# Altium PCB Angler_Main_PCB_V2.PcbDoc (part 2 of 2)
Units mm, origin at the board's own origin, x right, y up, seen from the top; angles counter-clockwise.
Board outline 200 x 139 mm, 4 copper layers (Top Layer, Signal Layer 1, Signal Layer 2, Bottom Layer), stack 0.778 mm thick; 202 components, 161 nets, 754 pads, 93 vias.
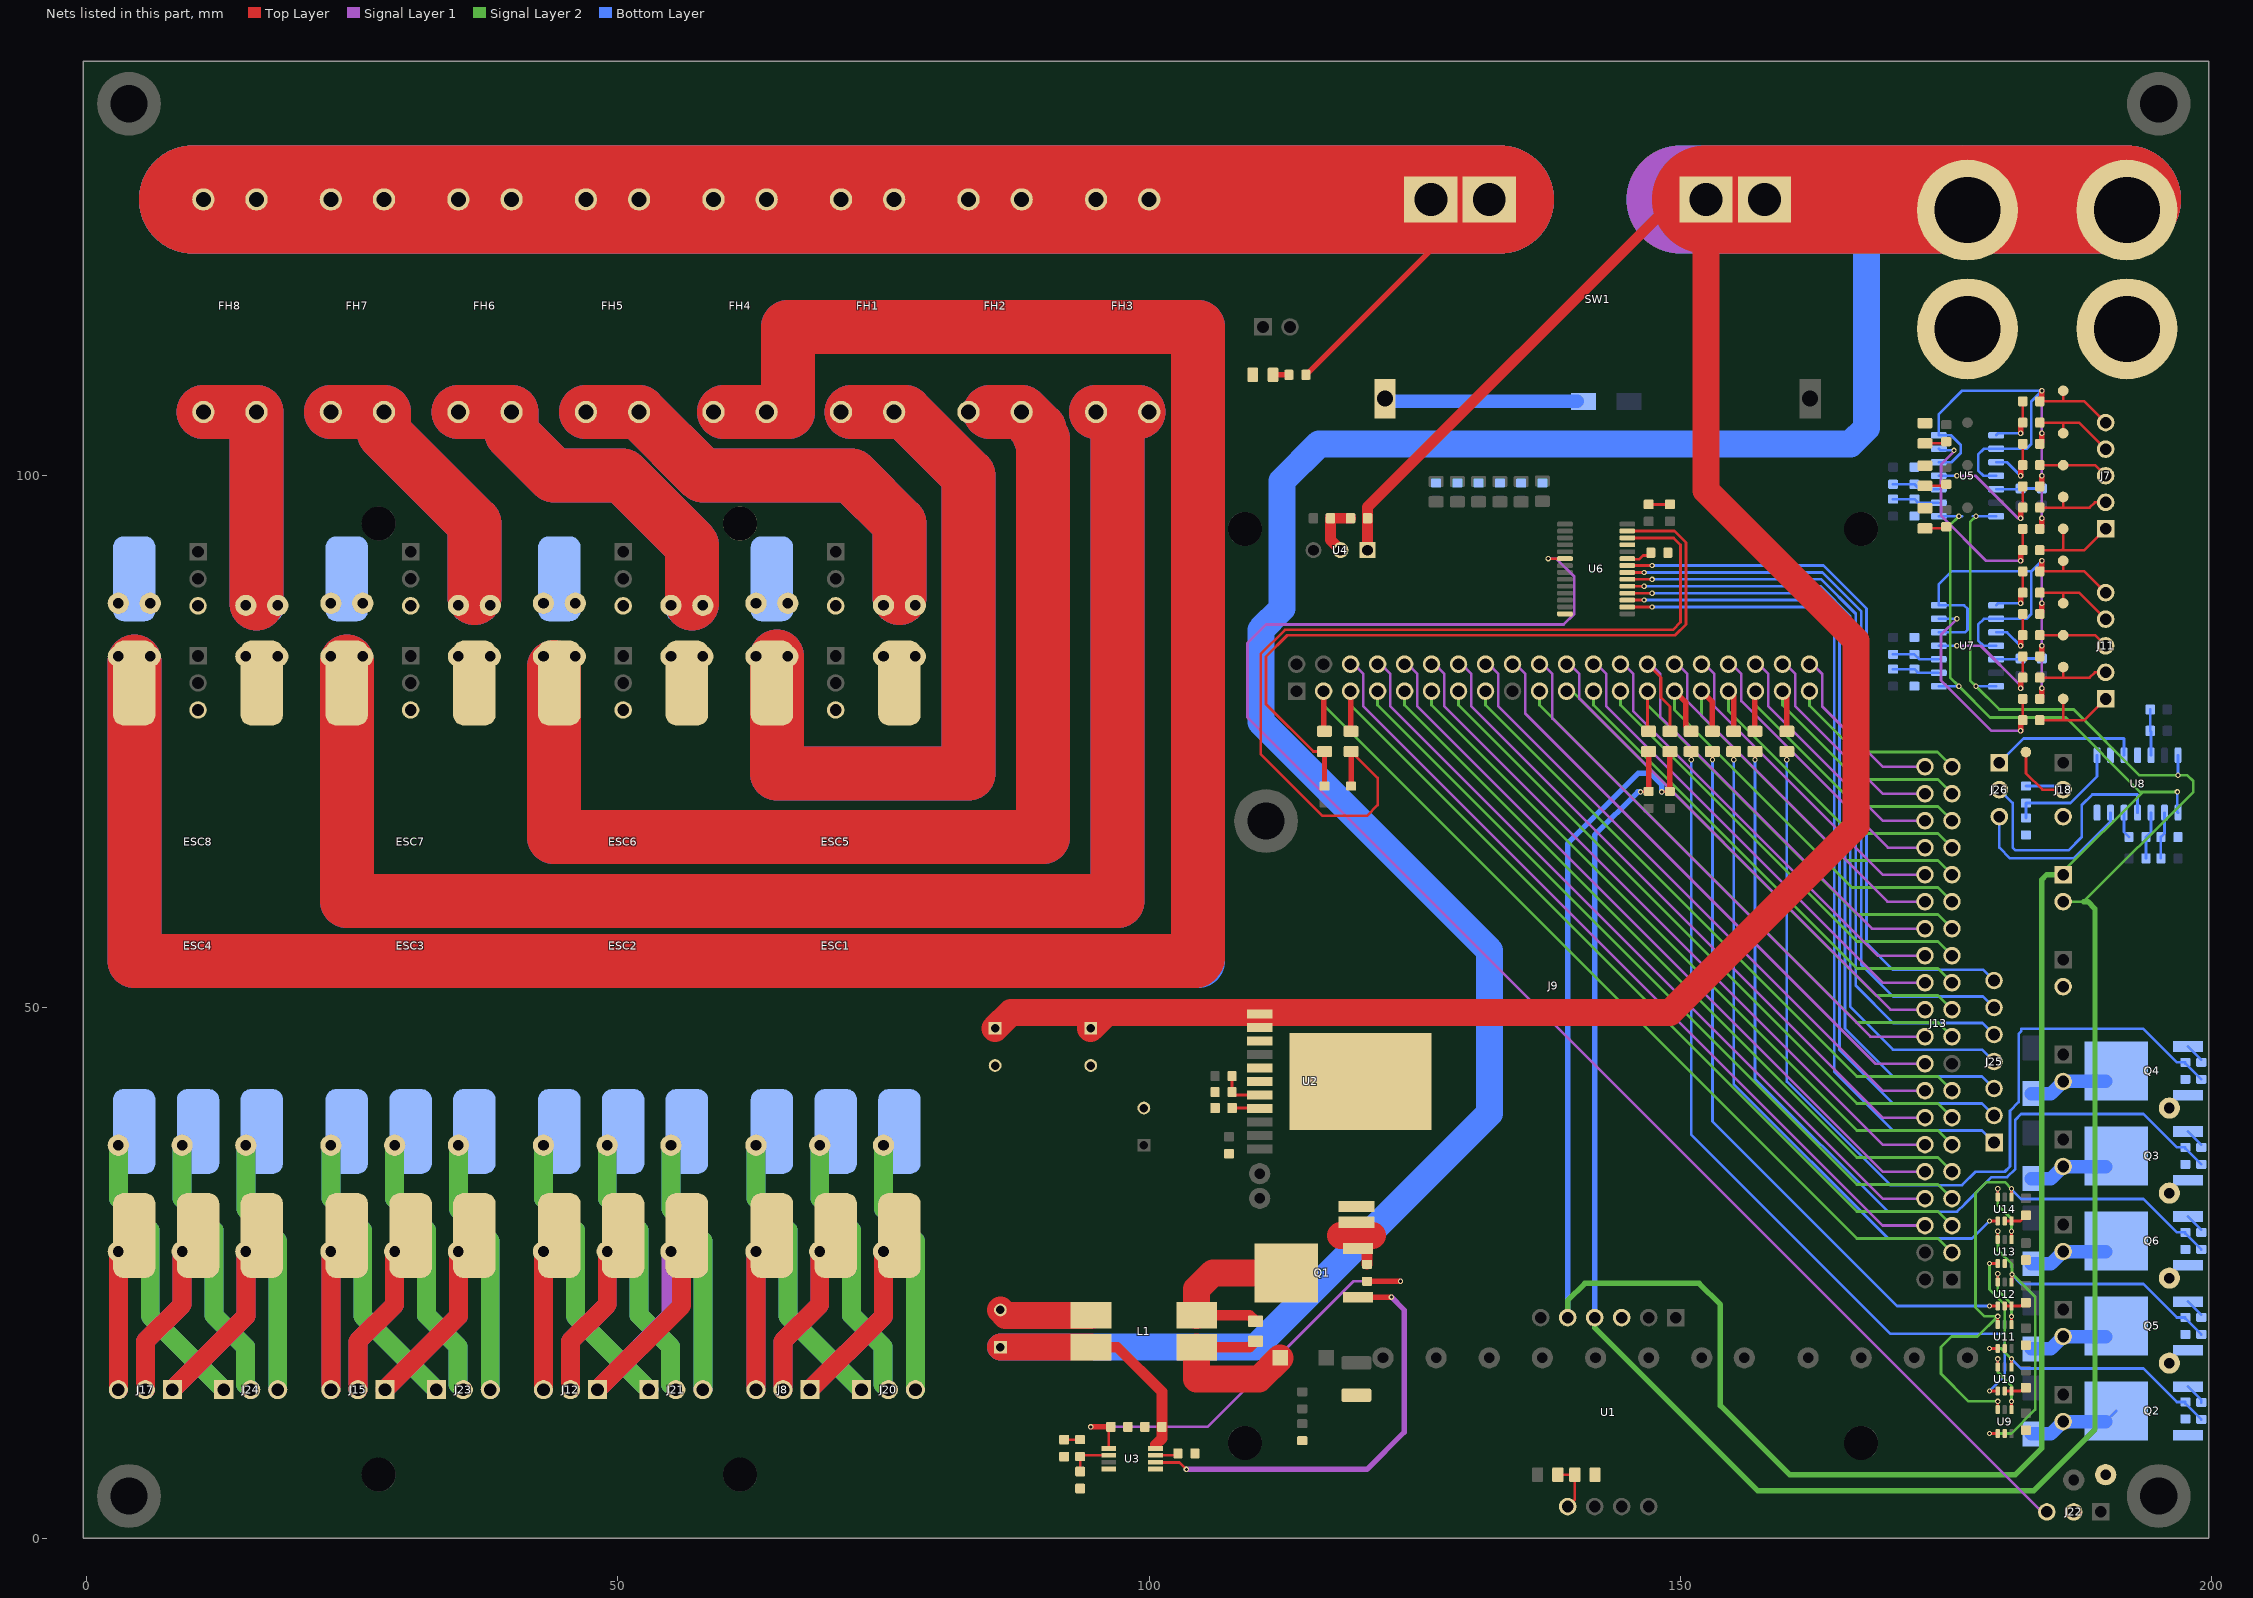
[diagram p4: the nets of this part, all layers, seen from the top]

## Via types
v1: diameter 0.5, hole 0.3, Top Layer to Bottom Layer, 93 vias

## Nets (pads, with @x,y where several pads share a name; then routed paths per layer and width w, separated by ;. In a path a pad name is that pad's centre, name@x,y a point inside that pad or via, vN(x,y) a via of type N, cw(c..) or ccw(c..) an arc to the next point about the centre after c; other vN are vias at no path point) (continued)
GND: C2.2 C3.2 C4.2 C5.1 C7.1 C8.2 C9.2 C10.1 C11.1 C12.1 C13.2 C14.1 C15.1 C16.1 C17.1 C18.1 C19.1 C20.1 C21.1 C22.1 C23.1 C24.1 C25.1 C26.1 C27.1 C28.1 C29.1 D7.A ESC1.BAT- ESC1.GND ESC2.BAT- ESC2.GND ESC3.BAT- ESC3.GND ESC4.BAT- ESC4.GND ESC5.BAT- ESC5.GND ESC6.BAT- ESC6.GND ESC7.BAT- ESC7.GND ESC8.BAT- ESC8.GND J1.1 J9.6 J9.9 J9.14 J9.20 J9.25 J9.30 J9.34 J9.39 J10.1 J13.6 J13.9 J13.14 J13.20 J13.25 J13.30 J13.34 J13.39 J16.2 J18.3 J22.2 L1.3 LED1.K LED2.K LED3.K LED4.K pad.2@3,88 pad.2@6,88 pad.2@15,83 pad.2@18,83 pad.2@23,88 pad.2@26,88 pad.2@35,83 pad.2@38,83 pad.2@43,88 pad.2@46,88 pad.2@55,83 pad.2@58,83 pad.2@63,88 pad.2@66,88 pad.2@75,83 pad.2@78,83 pad.2@190,6 pad.2@196,16.5 pad.2@196,24.5 pad.2@196,32.5 pad.2@196,40.5 pad.3@61.5,95.5 Q2.3 Q3.3 Q4.3 Q5.3 Q6.3 R15.2 R19.1 R23.1 R24.1 R25.1 R34.1 R35.1 R51.1 R52.1 R53.1 R54.1 R55.1 R56.1 R58.1 R59.1 R60.1 R66.1 R69.1 R70.1 R73.1 R74.1 R76.1 R78.1 R80.1 SW1.1 U1.3 U2.3 U2.5 U2.6 U2.12 U3.4 U3.5 U4.2 U5.5 U6.14 U6.25 U7.5 U8.2 U8.4 U8.5 U8.12 U8.14 U9.2 U10.2 U10.3 U11.2 U12.2 U12.3 U13.2 U14.2 U14.3 | length 442.7
  Top Layer w0.254: C19.1@147,97.3 C18.1@149,97.3 ; U10.2@180.5,13.875 U10.3@181.15,13.875 181.975,13.875 C25.1@182.5,14.4 ; U12.2@180.5,21.875 U12.3@181.15,21.875 181.975,21.875 C27.1@182.5,22.4 ; U14.2@180.5,29.875 U14.3@181.15,29.875 181.975,29.875 C29.1@182.5,30.4
  Top Layer w1.016: U4.2@118,93 117.05,93.95 C15.1@117.05,96 C14.1@118.95,96
  Top Layer w2.54: C9.2@86,21.5 86.5,21 L1.3@94.525,21
  Signal Layer 1 w0.254: J9.6@118.95,82.27 119.25,82.27 120.156,81.364 120.156,78.306 169.022,29.44 J13.6@173,29.44 ; J9.14@129.11,82.27 129.41,82.27 130.316,81.364 130.316,78.306 169.022,39.6 J13.14@173,39.6 ; J9.20@136.73,82.27 137.03,82.27 137.936,81.364 137.936,77.156 167.872,47.22 J13.20@173,47.22 ; J9.30@149.43,82.27 149.73,82.27 150.636,81.364 150.636,78.747 169.463,59.92 J13.30@173,59.92 ; J9.34@154.51,82.27 154.81,82.27 155.716,81.364 155.716,78.784 169.5,65 J13.34@173,65
  Signal Layer 2 w0.254: J9.9@124.03,79.73 124.03,78.41 166.586,35.854 174.206,35.854 J13.9@175.54,34.52 ; J9.25@144.35,79.73 144.35,78.41 166.586,56.174 174.206,56.174 J13.25@175.54,54.84 ; J9.39@162.13,79.73 162.13,78.37 166.5,74 174.16,74 J13.39@175.54,72.62
  Bottom Layer w0.254: U7.5@179.7,82.73 181.93,82.73 C20.1@182,82.8 C21.1@184,82.8 ; U5.5@179.7,98.73 181.93,98.73 C16.1@182,98.8 C17.1@184,98.8 ; U8.12@191.73,68.3 191.73,66.47 R70.1@192.2,66 ; C23.1@194.2,78 C22.1@194.2,76 194.27,75.93 U8.5@194.27,73.7
  Bottom Layer w1.27: SW1.1@122,107 D7.A@140.3,107
I2C1_SCL: J19.1 R4.2 R13.1 U1.5 U5.8 U7.8 U8.8 | length 236.8
  Top Layer w0.254: v1(148.225,70.25) R13.1@149,70.25
  Top Layer w0.508: R13.1@149,70.3 R4.2@149,74.05
  Signal Layer 2 w0.254: v1(176.19,96.19) 175.369,95.369 175.369,81.011 v1(176.19,80.19) 179.13,77.25 186.25,77.25 193.25,70.25 193.5,70.25 ; J19.1@186,62.46 186,62.75 193.5,70.25 ; v1(196.75,70.25) 193.5,70.25
  Signal Layer 2 w0.508: U1.5@139.38,20.78 139.38,22.38 141,24 151.75,24 153.75,22 153.75,12.5 160.25,6 181.5,6 184,8.5 184,62 184.46,62.46 J19.1@186,62.46
  Bottom Layer w0.254: U7.8@174.3,80.19 v1(176.19,80.19) ; U5.8@174.3,96.19 v1(176.19,96.19) 176.5,96.19 ; v1(196.75,70.25) 196.75,68.36 U8.8@196.81,68.3
  Bottom Layer w0.508: U1.5@139.38,20.78 139.38,65.38 146,72 147.152,72 148.225,70.927 v1(148.225,70.25)
I2C1_SDA: J19.2 R3.1 R12.1 U1.4 U5.7 U7.7 U8.7 | length 227.2
  Top Layer w0.254: v1(146.225,70.25) R12.1@147,70.25
  Top Layer w0.508: R12.1@147,70.3 R3.1@147,74.05
  Signal Layer 2 w0.254: v1(177.81,96.19) 177.25,95.63 177.25,80.75 v1(177.81,80.19) 180,78 187,78 193.19,71.81 v1(196.81,71.81) 197.69,71.81 198.25,71.25 198.25,70.25 187.92,59.92 J19.2@186,59.92
  Signal Layer 2 w0.508: U1.4@141.92,20.78 141.92,19.83 157.25,4.5 183.25,4.5 189,10.25 189,59.25 188.33,59.92 187.92,59.92
  Bottom Layer w0.254: 177.5,96.19 v1(177.81,96.19) U5.7@179.7,96.19 ; v1(177.81,80.19) U7.7@179.7,80.19 ; v1(196.81,71.81) U8.7@196.81,73.7
  Bottom Layer w0.508: U1.4@141.92,20.78 141.92,66.192 145.978,70.25 v1(146.225,70.25)
I2C2_SCL: R2.1 R11.1 U6.26 | length 85.9
  Top Layer w0.254: R2.1@119,74.05 121.5,71.55 121.5,69 120.5,68 116.323,68 110.492,73.831 110.492,83.21 112.782,85.5 149.282,85.5 150,86.218 150,93.5 149.35,94.15 U6.26@145,94.15
  Top Layer w0.508: R11.1@119,70.8 R2.1@119,74.05
I2C2_SDA: R1.1 R10.1 U6.27 | length 69.5
  Top Layer w0.254: R1.1@116.5,74.05 115.45,74.05 111,78.5 111,83 112.992,84.992 149.492,84.992 150.508,86.008 150.508,93.71 149.418,94.8 U6.27@145,94.8
  Top Layer w0.508: R10.1@116.5,70.8 R1.1@116.5,74.05
Jetson_Pin_3_3: J9.3 J13.3 R1.2 | length 85.6
  Top Layer w0.508: J9.3@116.41,79.73 116.41,76.04 R1.2@116.5,75.95
  Signal Layer 2 w0.254: J9.3@116.41,79.73 116.41,78.41 166.586,28.234 174.206,28.234 J13.3@175.54,26.9
Jetson_Pin_5_3: J9.5 J13.5 R2.2 | length 82.1
  Top Layer w0.254: J9.5@118.95,79.73 J9.5@119,79.68
  Top Layer w0.508: J9.5@118.95,79.73 118.95,76 R2.2@119,75.95
  Signal Layer 2 w0.254: J9.5@118.95,79.73 118.95,78.41 166.586,30.774 174.206,30.774 J13.5@175.54,29.44
Jetson_Pin_7_3: J9.7 J13.7 | length 74.6
  Signal Layer 2 w0.254: J9.7@121.49,79.73 121.49,78.41 166.586,33.314 174.206,33.314 J13.7@175.54,31.98
Jetson_Pin_8_3: J9.8 J13.8 | length 74.1
  Signal Layer 1 w0.254: J9.8@121.49,82.27 121.79,82.27 122.696,81.364 122.696,78.306 169.022,31.98 J13.8@173,31.98
Jetson_Pin_10_3: J9.10 J13.10 | length 70.5
  Signal Layer 1 w0.254: J9.10@124.03,82.27 124.33,82.27 125.236,81.364 125.236,78.306 169.022,34.52 J13.10@173,34.52
Jetson_Pin_11_3: J9.11 J13.11 | length 67.4
  Signal Layer 2 w0.254: J9.11@126.57,79.73 126.57,78.41 166.586,38.394 174.206,38.394 J13.11@175.54,37.06
Jetson_Pin_12_3: J9.12 J13.12 | length 66.9
  Signal Layer 1 w0.254: J9.12@126.57,82.27 126.87,82.27 127.776,81.364 127.776,78.306 169.022,37.06 J13.12@173,37.06
Jetson_Pin_13_3: J9.13 J13.13 | length 63.8
  Signal Layer 2 w0.254: J9.13@129.11,79.73 129.11,78.41 166.586,40.934 174.206,40.934 J13.13@175.54,39.6
Jetson_Pin_15_3: J9.15 J13.15 | length 60.2
  Signal Layer 2 w0.254: J9.15@131.65,79.73 131.65,78.41 166.586,43.474 174.206,43.474 J13.15@175.54,42.14
Jetson_Pin_16_3: J9.16 J13.16 | length 59.8
  Signal Layer 1 w0.254: J9.16@131.65,82.27 131.95,82.27 132.856,81.364 132.856,78.306 169.022,42.14 J13.16@173,42.14
Jetson_Pin_18_3: J9.18 J13.18 | length 56.6
  Signal Layer 1 w0.254: J9.18@134.19,82.27 134.49,82.27 135.396,81.364 135.396,77.604 168.32,44.68 J13.18@173,44.68
Jetson_Pin_19_3: J9.19 J13.19 | length 53
  Signal Layer 2 w0.254: J9.19@136.73,79.73 136.73,78.41 166.586,48.554 174.206,48.554 J13.19@175.54,47.22
Jetson_Pin_21_3: J9.21 J13.21 | length 48.7
  Signal Layer 2 w0.254: J9.21@139.27,79.73 139.77,79.73 168.406,51.094 174.206,51.094 J13.21@175.54,49.76
Jetson_Pin_22_3: J9.22 J13.22 | length 48.6
  Signal Layer 1 w0.254: J9.22@139.27,82.27 139.57,82.27 140.476,81.364 140.476,79.024 169.74,49.76 J13.22@173,49.76
Jetson_Pin_23_3: J9.23 J13.23 | length 45.9
  Signal Layer 2 w0.254: J9.23@141.81,79.73 141.81,78.41 166.586,53.634 174.206,53.634 J13.23@175.54,52.3
Jetson_Pin_24_3: J9.24 J13.24 | length 45.4
  Signal Layer 1 w0.254: J9.24@141.81,82.27 142.11,82.27 143.016,81.364 143.016,78.306 169.022,52.3 J13.24@173,52.3
Jetson_Pin_26_3: J9.26 J13.26 | length 42.1
  Signal Layer 1 w0.254: J9.26@144.35,82.27 144.65,82.27 145.556,81.364 145.556,77.827 168.543,54.84 J13.26@173,54.84
Jetson_Pin_27_3: J9.27 J13.27 R3.2 | length 42.5
  Top Layer w0.254: R3.2@146.89,76.06 J9.27@146.89,79.73
  Top Layer w0.508: R3.2@146.89,76.06 R3.2@147,75.95
  Signal Layer 2 w0.254: J9.27@146.89,79.73 146.89,78.41 166.586,58.714 174.206,58.714 J13.27@175.54,57.38
Jetson_Pin_28_3: J9.28 J13.28 R4.1 | length 46
  Top Layer w0.254: J9.28@146.89,82.27 148.16,81 148.16,79.115 149,78.275 R4.1@149,75.95
  Signal Layer 1 w0.254: J9.28@146.89,82.27 147.19,82.27 148.096,81.364 148.096,77.287 168.003,57.38 J13.28@173,57.38
Jetson_Pin_29_3: J9.29 J13.29 R5.2 | length 39.8
  Top Layer w0.508: J9.29@149.43,79.73 150.5,78.66 150.5,76.45 R5.2@151,75.95
  Signal Layer 2 w0.254: J9.29@149.43,79.73 149.43,77.953 166.129,61.254 174.206,61.254 J13.29@175.54,59.92
Jetson_Pin_31_3: J9.31 J13.31 R6.2 | length 36.3
  Top Layer w0.508: J9.31@151.97,79.73 153,78.7 R6.2@153,75.95
  Signal Layer 2 w0.254: J9.31@151.97,79.73 151.97,77.413 165.589,63.794 174.206,63.794 J13.31@175.54,62.46
Jetson_Pin_32_3: J9.32 J13.32 | length 31
  Signal Layer 1 w0.254: J9.32@151.97,82.27 152.27,82.27 153.176,81.364 153.176,78.306 169.022,62.46 J13.32@173,62.46
Jetson_Pin_33_3: J9.33 J13.33 R7.2 | length 32.2
  Top Layer w0.508: J9.33@154.51,79.73 155,79.24 R7.2@155,75.95
  Signal Layer 2 w0.254: J9.33@154.51,79.73 154.51,77.873 166.049,66.334 174.206,66.334 J13.33@175.54,65
Jetson_Pin_35_3: J9.35 J13.35 R8.2 | length 28.1
  Top Layer w0.508: R8.2@157,75.95 157,79.68 J9.35@157.05,79.73
  Signal Layer 2 w0.254: J9.35@157.05,79.73 157.05,78.41 166.586,68.874 174.206,68.874 J13.35@175.54,67.54
Jetson_Pin_36_3: J9.36 J13.36 | length 23.8
  Signal Layer 1 w0.254: J9.36@157.05,82.27 157.35,82.27 158.256,81.364 158.256,78.306 169.022,67.54 J13.36@173,67.54
Jetson_Pin_37_3: J9.37 J13.37 R9.2 | length 24.7
  Top Layer w0.508: J9.37@159.59,79.73 160,79.32 R9.2@160,75.95
  Signal Layer 2 w0.254: J9.37@159.59,79.73 159.59,78.41 166.586,71.414 174.206,71.414 J13.37@175.54,70.08
Jetson_Pin_38_3: J9.38 J13.38 | length 20.3
  Signal Layer 1 w0.254: J9.38@159.59,82.27 159.89,82.27 160.796,81.364 160.796,78.306 169.022,70.08 J13.38@173,70.08
Jetson_Pin_40_3: J9.40 J13.40 | length 16.7
  Signal Layer 1 w0.254: J9.40@162.13,82.27 162.43,82.27 163.336,81.364 163.336,78.306 169.022,72.62 J13.40@173,72.62
NetC1_1: C1.1 L1.2 Q1.4 | length 17.3
  Top Layer w1.016: L1.2@104.475,21 109.45,21 C1.1@110,20.45
  Top Layer w2.54: L1.2@104.475,21 104.475,23.475 106,25 Q1.4@112.9,25
NetC1_2: C1.2 D6.A L1.1 | length 17.4
  Top Layer w1.016: L1.1@104.475,18 109.45,18 C1.2@110,18.55
  Top Layer w2.54: L1.1@104.475,18 104.475,15 110.325,15 D6.A@112.325,17
NetC7_2: C7.2 U2.8 | length 2.6
  Top Layer w0.254: C7.2@107.8,40.5 110.358,40.5 U2.8@110.398,40.46
NetC11_2: C11.2 R22.2 U3.2 | length 4.2
  Top Layer w0.254: C11.2@93.5,6.3 R22.2@93.5,7.7 93.625,7.825 U3.2@96.2,7.825
NetC12_2: C12.2 R21.1 U3.1 | length 42
  Top Layer w0.254: U3.1@96.2,8.475 96.2,10.3 C12.2@96.4,10.5
  Top Layer w0.508: v1(94.5,10.5) C12.2@96.4,10.5 ; R21.1@120.5,24.2 v1(123.64,24.2)
  Signal Layer 1 w0.254: v1(94.5,10.5) 105.5,10.5 119.2,24.2 v1(123.64,24.2)
NetC13_1: C13.1 R22.1 | length 1.5
  Top Layer w0.254: C13.1@92,9.3 R22.1@93.5,9.3
NetESC1_A: ESC1.A J8.1 pad.2@75,27 | length 33.1
  Top Layer w1.778: J8.1@68.08,14 75,20.92 pad.2@75,27 ESC1.A@76,28
  Signal Layer 1 w1.778: J8.1@68.08,14 75,20.92 pad.2@75,27
NetESC1_B: ESC1.B J8.2 pad.2@69,27 | length 31
  Top Layer w1.778: J8.2@65.54,14 65.54,18.54 69,22 pad.2@69,27 ESC1.B@70.5,28.5
  Signal Layer 1 w1.778: J8.2@65.54,14 65.54,18.54 69,22 pad.2@69,27
NetESC1_BAT+: ESC1.BAT+ FH1.2 pad.2@63,83 pad.2@66,83 | length 140
  Top Layer w5.08: ESC1.BAT+@65,83 65,72 83,72 83,100 77,106 FH1.2@76,106 FH1.2@72,106
  Bottom Layer w5.08: 65,83 65,72 83,72 83,100 FH1.2@77,106 ; FH1.2@72,106 FH1.2@76,106
NetESC1_C: ESC1.C J8.3 pad.2@63,27 | length 26
  Top Layer w1.778: J8.3@63,14 pad.2@63,27
  Signal Layer 1 w1.778: J8.3@63,14 pad.2@63,27
NetESC2_A: ESC2.A J12.1 pad.2@55,27 | length 33.1
  Top Layer w1.778: J12.1@48.08,14 56,21.92 ESC2.A@56,28
  Signal Layer 1 w1.778: J12.1@48.08,14 55,20.92 pad.2@55,27
NetESC2_B: ESC2.B J12.2 pad.2@49,27 | length 31
  Top Layer w1.778: J12.2@45.54,14 45.54,18.54 49,22 pad.2@49,27 ESC2.B@50.5,28.5
  Signal Layer 1 w1.778: J12.2@45.54,14 45.54,18.54 49,22 pad.2@49,27
NetESC2_BAT+: ESC2.BAT+ FH2.2 pad.2@43,83 pad.2@46,83 | length 211.1
  Top Layer w5.08: ESC2.BAT+@44,82 44,66 90,66 90,103.457 89.666,103.791 89.666,104.334 FH2.2@88,106 85,106
  Bottom Layer w5.08: 44,82 44,66 90,66 90,103.457 89.666,103.791 ; 85,106 FH2.2@88,106 89.666,104.334
NetESC2_C: ESC2.C J12.3 pad.2@43,27 | length 26
  Top Layer w1.778: J12.3@43,14 pad.2@43,27
  Signal Layer 1 w1.778: J12.3@43,14 pad.2@43,27
NetESC3_A: ESC3.A J15.1 pad.2@35,27 | length 33.1
  Top Layer w1.778: J15.1@28.08,14 35,20.92 pad.2@35,27 ESC3.A@36,28
  Signal Layer 1 w1.778: J15.1@28.08,14 35,20.92 pad.2@35,27
NetESC3_B: ESC3.B J15.2 pad.2@29,27 | length 31
  Top Layer w1.778: J15.2@25.54,14 25.54,18.54 29,22 pad.2@29,27 ESC3.B@30.5,28.5
  Signal Layer 1 w1.778: J15.2@25.54,14 25.54,18.54 29,22 pad.2@29,27
NetESC3_BAT+: ESC3.BAT+ FH3.2 pad.2@23,83 pad.2@26,83 | length 290
  Top Layer w5.08: ESC3.BAT+@24.5,82.5 ESC3.BAT+@24.5,80.5 24.5,60 97,60 97,106 ; FH3.2@95,106 97,106 ; FH3.2@99,106 97,106
  Bottom Layer w5.08: 24.5,82.5 24.5,60 97,60 97,106 ; FH3.2@95,106 97,106 ; FH3.2@99,106 97,106
NetESC3_C: ESC3.C J15.3 pad.2@23,27 | length 26
  Top Layer w1.778: J15.3@23,14 pad.2@23,27
  Signal Layer 1 w1.778: J15.3@23,14 pad.2@23,27
NetESC4_A: ESC4.A J17.1 pad.2@15,27 | length 33.9
  Top Layer w1.778: J17.1@8.08,14 15,20.92 pad.2@15,27 ESC4.A@16.5,28.5
  Signal Layer 1 w1.778: J17.1@8.08,14 15,20.92 pad.2@15,27
NetESC4_B: ESC4.B J17.2 pad.2@9,27 | length 31
  Top Layer w1.778: J17.2@5.54,14 5.54,18.54 9,22 pad.2@9,27 ESC4.B@10.5,28.5
  Signal Layer 1 w1.778: J17.2@5.54,14 5.54,18.54 9,22 pad.2@9,27
NetESC4_BAT+: ESC4.BAT+ FH4.2 pad.2@3,83 pad.2@6,83 | length 478.9
  Top Layer w5.08: ESC4.BAT+@4.5,82.5 ESC4.BAT+@4.5,80.5 4.5,54.341 104.341,54.341 104.606,54.606 104.606,114 66,114 66,106 FH4.2@64,106 FH4.2@60,106
  Bottom Layer w5.08: 4.5,82.5 4.5,54.341 104.606,54.341 104.606,114 66,114 66,106 ; FH4.2@60,106 FH4.2@64,106
NetESC4_C: ESC4.C J17.3 pad.2@3,27 | length 26
  Top Layer w1.778: J17.3@3,14 pad.2@3,27
  Signal Layer 1 w1.778: J17.3@3,14 pad.2@3,27
NetESC5_A: ESC5.A J20.1 pad.2@63,37 | length 54.2
  Signal Layer 2 w1.778: pad.2@63,37 63,32 66,29 66,20.92 J20.1@72.92,14
  Bottom Layer w1.778: pad.2@63,37 63,32 66,29 66,20.92 J20.1@72.92,14
NetESC5_B: ESC5.B J20.2 pad.2@69,37 | length 49.9
  Signal Layer 2 w1.778: pad.2@69,37 69,32 72,29 72,21 74.963,18.037 J20.2@74.963,14.497
  Bottom Layer w1.778: pad.2@69,37 69,32 72,29 72,21 74.963,18.037 J20.2@74.963,14.497
NetESC5_BAT+: ESC5.BAT+ FH5.2 pad.2@75,87.8 pad.2@78,87.8 | length 81.7
  Top Layer w5.08: FH5.2@47,106 FH5.2@52,106 58,100 72,100 76.5,95.5 76.5,88.5
  Bottom Layer w5.08: FH5.2@47,106 FH5.2@52,106 58,100 72,100 76.5,95.5 ESC5.BAT+@76.5,90.3 ESC5.BAT+@76.5,88.5
NetESC5_C: ESC5.C J20.3 pad.2@75,37 | length 48.5
  Signal Layer 2 w1.778: pad.2@75,37 75,31 78,28 J20.3@78,14
  Bottom Layer w1.778: pad.2@75,37 75,31 78,28 J20.3@78,14
NetESC6_A: ESC6.A J21.1 pad.2@43,37 | length 54.2
  Signal Layer 2 w1.778: pad.2@43,37 43,32 46,29 46,20.92 J21.1@52.92,14
  Bottom Layer w1.778: pad.2@43,37 43,32 46,29 46,20.92 J21.1@52.92,14
NetESC6_B: ESC6.B J21.2 pad.2@49,37 | length 49.9
  Signal Layer 2 w1.778: pad.2@49,37 49,32 52,29 52,21 54.963,18.037 J21.2@54.963,14.497
  Bottom Layer w1.778: pad.2@49,37 49,32 52,29 52,21 54.963,18.037 J21.2@54.963,14.497
NetESC6_BAT+: ESC6.BAT+ FH6.2 pad.2@55,87.8 pad.2@58,87.8 | length 67.6
  Top Layer w5.08: FH6.2@35,106 FH6.2@40,106 40,104 44,100 50.457,100 57,93.457 57,88
  Bottom Layer w5.08: FH6.2@35,106 FH6.2@40,106 40,104 44,100 50.457,100 57,93.457 ESC6.BAT+@57,88
NetESC6_C: ESC6.C J21.3 pad.2@55,37 | length 48.5
  Signal Layer 2 w1.778: pad.2@55,37 55,31 58,28 J21.3@58,14
  Bottom Layer w1.778: pad.2@55,37 55,31 58,28 J21.3@58,14
NetESC7_A: ESC7.A J23.1 pad.2@23,37 | length 54.2
  Signal Layer 2 w1.778: pad.2@23,37 23,32 26,29 26,20.92 J23.1@32.92,14
  Bottom Layer w1.778: pad.2@23,37 23,32 26,29 26,20.92 J23.1@32.92,14
NetESC7_B: ESC7.B J23.2 pad.2@29,37 | length 49.9
  Signal Layer 2 w1.778: pad.2@29,37 29,32 32,29 32,21 34.963,18.037 J23.2@34.963,14.497
  Bottom Layer w1.778: pad.2@29,37 29,32 32,29 32,21 34.963,18.037 J23.2@34.963,14.497
NetESC7_BAT+: ESC7.BAT+ FH7.2 pad.2@35,87.8 pad.2@38,87.8 | length 52
  Top Layer w5.08: FH7.2@23,106 FH7.2@28,106 28,104 36.5,95.5 36.5,88.5
  Bottom Layer w5.08: FH7.2@23,106 FH7.2@28,106 28,104 36.5,95.5 ESC7.BAT+@36.5,90.3 ESC7.BAT+@36.5,88.5
NetESC7_C: ESC7.C J23.3 pad.2@35,37 | length 48.5
  Signal Layer 2 w1.778: pad.2@35,37 35,31 38,28 J23.3@38,14
  Bottom Layer w1.778: pad.2@35,37 35,31 38,28 J23.3@38,14
NetESC8_A: ESC8.A J24.1 pad.2@3,37 | length 54.2
  Signal Layer 2 w1.778: pad.2@3,37 3,32 6,29 6,20.92 J24.1@12.92,14
  Bottom Layer w1.778: pad.2@3,37 3,32 6,29 6,20.92 J24.1@12.92,14
NetESC8_B: ESC8.B J24.2 pad.2@9,37 | length 50.6
  Signal Layer 2 w1.778: pad.2@9,37 9,32 12,29 12,21 14.963,18.037 J24.2@14.963,14.497
  Bottom Layer w1.778: pad.2@9,37 9,32 12,29 12,21 14.963,18.037 14.963,14.497 J24.2@15.46,14
NetESC8_BAT+: ESC8.BAT+ FH8.2 pad.2@15,87.8 pad.2@18,87.8 | length 46
  Top Layer w5.08: FH8.2@11,106 FH8.2@16,106 16,88
  Bottom Layer w5.08: FH8.2@11,106 FH8.2@16,106 ESC8.BAT+@16,88
NetESC8_C: ESC8.C J24.3 pad.2@15,37 | length 48.5
  Signal Layer 2 w1.778: pad.2@15,37 15,31 18,28 J24.3@18,14
  Bottom Layer w1.778: pad.2@15,37 15,31 18,28 J24.3@18,14
NetJ25_1: J25.1 U6.16 | length 80
  Top Layer w0.254: U6.16@145,87.65 v1(147.324,87.65)
  Bottom Layer w0.254: v1(147.324,87.65) 162.85,87.65 164.452,86.048 164.452,43.942 170,38.394 178.366,38.394 J25.1@179.5,37.26
NetJ25_2: J25.2 U6.17 | length 78.2
  Top Layer w0.254: U6.17@145,88.3 v1(146.574,88.3)
  Bottom Layer w0.254: v1(146.574,88.3) 162.95,88.3 164.96,86.29 164.96,45.974 170,40.934 178.366,40.934 J25.2@179.5,39.8
NetJ25_3: J25.3 U6.18 | length 76.4
  Top Layer w0.254: U6.18@145,88.95 v1(147.324,88.95)
  Bottom Layer w0.254: v1(147.324,88.95) 163.082,88.95 165.468,86.564 165.468,48.006 170,43.474 178.366,43.474 J25.3@179.5,42.34
NetJ25_4: J25.4 U6.19 | length 74.6
  Top Layer w0.254: U6.19@145,89.6 v1(146.574,89.6)
  Bottom Layer w0.254: v1(146.574,89.6) 163.15,89.6 165.976,86.774 165.976,50.024 170,46 178.38,46 J25.4@179.5,44.88
NetJ25_5: J25.5 U6.20 | length 72.7
  Top Layer w0.254: U6.20@145,90.25 v1(147.324,90.25)
  Bottom Layer w0.254: v1(147.324,90.25) 163.25,90.25 166.484,87.016 166.484,52.016 170,48.5 178.42,48.5 J25.5@179.5,47.42
NetJ25_6: J25.6 U6.21 | length 70.9
  Top Layer w0.254: U6.21@145,90.9 v1(146.574,90.9)
  Bottom Layer w0.254: v1(146.574,90.9) 163.35,90.9 166.992,87.258 166.992,54.008 170,51 178.46,51 J25.6@179.5,49.96
NetJ25_7: J25.7 U6.22 | length 69.1
  Top Layer w0.254: U6.22@145,91.55 v1(147.324,91.55)
  Bottom Layer w0.254: v1(147.324,91.55) 163.45,91.55 167.5,87.5 167.5,56.012 170.006,53.506 178.494,53.506 J25.7@179.5,52.5
NetJ26_1: J26.1 U8.3 | length 14.2
  Bottom Layer w0.254: J26.1@180,73 182.27,75.27 191.73,75.27 U8.3@191.73,73.7
NetJ26_2: J26.2 U8.11 | length 23.5
  Bottom Layer w0.254: J26.2@180,70.46 181.25,69.21 181.25,65 181.5,64.75 186.5,64.75 187.75,66 187.75,69 188.75,70 193,70 U8.11@193,68.3
NetJ26_3: J26.3 U8.13 | length 16.1
  Bottom Layer w0.254: J26.3@180,67.92 180,65 181,64 187,64 190.46,67.46 U8.13@190.46,68.3
NetLED1_A: LED1.A R16.1 | length 2.1
  Top Layer w0.254: LED1.A@173,99.05 174.85,99.05 R16.1@175,99.2
NetLED2_A: LED2.A R20.1 | length 2.1
  Top Layer w0.254: LED2.A@173,103.05 174.85,103.05 R20.1@175,103.2
NetLED3_A: LED3.A R26.1 | length 1.5
  Top Layer w0.508: LED3.A@111.65,109.5 R26.1@113.15,109.5
NetLED4_A: LED4.A R27.1 | length 2.1
  Top Layer w0.254: LED4.A@173,95.05 174.85,95.05 R27.1@175,95.2
NetQ1_1: Q1.1 U3.6 | length 41.5
  Top Layer w0.254: U3.6@100.6,7.144 102.856,7.144 v1(103.5,6.5)
  Top Layer w0.508: Q1.1@119.65,22.71 v1(122.79,22.71)
  Signal Layer 1 w0.508: v1(103.5,6.5) 120.5,6.5 124,10 124,21.5 v1(122.79,22.71)
NetQ1_3: Q1.3 R21.2 R24.2 | length 5.2
  Top Layer w1.016: Q1.3@119.65,27.29 120.21,27.29 120.5,27 R21.2@120.5,25.8
  Top Layer w2.54: 118,28.5 121,28.5
NetQ2_1: Q2.1 R71.2 | length 2
  Bottom Layer w0.254: Q2.1@197.75,14.29 199,13.04 R71.2@199,12.8
NetQ3_1: Q3.1 R72.2 | length 1.8
  Bottom Layer w0.254: Q3.1@197.75,38.29 R72.2@199,37.04
NetQ4_1: Q4.1 R75.2 | length 1.8
  Bottom Layer w0.254: Q4.1@197.75,46.29 R75.2@199,45.04
NetQ5_1: Q5.1 R77.2 | length 1.8
  Bottom Layer w0.254: Q5.1@197.75,22.29 R77.2@199,21.04
NetQ6_1: Q6.1 R79.2 | length 1.8
  Bottom Layer w0.254: Q6.1@197.75,30.29 R79.2@199,29.04
NetR14_2: R14.2 R15.1 U1.7 | length 4.9
  Top Layer w0.254: R14.2@138.45,6 R15.1@140.05,6 140.05,3.67 U1.7@139.38,3
NetR17_1: R17.1 R19.2 U2.7 | length 4.2
  Top Layer w0.254: R17.1@107.8,43.5 R19.2@107.8,42 108.07,41.73 U2.7@110.398,41.73
NetR23_2: R23.2 U3.7 | length 2.2
  Top Layer w0.254: U3.7@100.6,7.825 102.525,7.825 R23.2@102.7,8
NetR30_2: R30.2 R35.2 U5.10 | length 4.5
  Bottom Layer w0.254: R30.2@170,99.2 R35.2@172,99.2 172.47,98.73 U5.10@174.3,98.73
NetR33_2: R33.2 R34.2 U5.9 | length 4.4
  Bottom Layer w0.254: R33.2@170,97.8 R34.2@172,97.8 172.34,97.46 U5.9@174.3,97.46
NetR50_2: R50.2 R60.2 U7.10 | length 4.5
  Bottom Layer w0.254: R50.2@170,83.2 R60.2@172,83.2 172.47,82.73 U7.10@174.3,82.73
NetR57_2: R57.2 R59.2 U7.9 | length 4.4
  Bottom Layer w0.254: R57.2@170,81.8 R59.2@172,81.8 172.34,81.46 U7.9@174.3,81.46
NetR58_2: R58.2 U6.23 | length 2.2
  Top Layer w0.254: U6.23@145,92.2 145.044,92.156 146.119,92.156 146.463,92.5 R58.2@147,92.5
NetR67_2: R67.2 R70.2 U8.10 | length 4.5
  Bottom Layer w0.254: R67.2@193.8,64 R70.2@193.8,66 194.27,66.47 U8.10@194.27,68.3
NetR68_2: R68.2 R69.2 U8.9 | length 4.4
  Bottom Layer w0.254: R68.2@195.2,64 R69.2@195.2,66 195.54,66.34 U8.9@195.54,68.3
P1C1_5: R61.1 R63.2 U5.1 | length 5.2
  Top Layer w0.254: R61.1@182.2,105 R63.2@182.2,107
  Top Layer w0.508: v1(182,104) R61.1@182,104.8
  Bottom Layer w0.254: U5.1@179.7,103.81 179.89,104 v1(182,104)
P1C2_5: R43.1 R48.2 U5.3 | length 5.6
  Top Layer w0.254: R43.1@182.2,101 R48.2@182.2,103
  Top Layer w0.508: v1(182,100) R43.1@182,100.8
  Bottom Layer w0.254: U5.3@179.7,101.27 180.73,101.27 v1(182,100)
P1C3_5: R36.1 R38.2 U5.11 | length 12.2
  Top Layer w0.254: R36.1@182.2,97 R38.2@182.2,99
  Top Layer w0.508: v1(182,96) R36.1@182,96.8
  Signal Layer 1 w0.254: v1(176,100) 177.75,100 181.75,96 v1(182,96)
  Bottom Layer w0.254: U5.11@174.3,100 v1(176,100)
P1C4_5: R28.1 R31.2 U5.13 | length 20.2
  Top Layer w0.254: R28.1@182.2,93 R31.2@182.2,95
  Top Layer w0.508: v1(182,92) R28.1@182,92.8
  Signal Layer 1 w0.254: v1(175.738,102.387) 175.738,102.278 174.5,101.04 174.5,96.25 178.75,92 v1(182,92)
  Bottom Layer w0.254: U5.13@174.3,102.54 174.453,102.387 v1(175.738,102.387)
P2C1_5: R62.1 R64.2 U7.1 | length 5.2
  Top Layer w0.254: R62.1@182.2,89 R64.2@182.2,91
  Top Layer w0.508: v1(182,88) R62.1@182,88.8
  Bottom Layer w0.254: U7.1@179.7,87.81 179.89,88 v1(182,88)
P2C2_5: R44.1 R49.2 U7.3 | length 5.6
  Top Layer w0.254: R44.1@182.2,85 R49.2@182.2,87
  Top Layer w0.508: v1(182,84) R44.1@182,84.8
  Bottom Layer w0.254: U7.3@179.7,85.27 180.73,85.27 v1(182,84)
P2C3_5: R37.1 R39.2 U7.11 | length 12.3
  Top Layer w0.254: R37.1@182.2,81 R39.2@182.2,83
  Top Layer w0.508: v1(182,80) R37.1@182,80.8
  Signal Layer 1 w0.254: v1(176,84) 178.25,84 182,80.25 v1(182,80)
  Bottom Layer w0.254: U7.11@174.3,84 v1(176,84)
P2C4_5: R29.1 R32.2 U7.13 | length 20.4
  Top Layer w0.254: R29.1@182.2,77 R32.2@182.2,79
  Top Layer w0.508: v1(182,76) R29.1@182,76.8
  Signal Layer 1 w0.254: v1(176,86.54) 174.5,85.04 174.5,80.75 179.25,76 v1(182,76)
  Bottom Layer w0.254: U7.13@174.3,86.54 v1(176,86.54)
Pack1_Cell0: J7.5 R31.1 R38.1 R48.1 R63.1 TP13.1 U5.2 U5.4 U5.12 U5.14 | length 55.8
  Top Layer w0.254: R63.1@183.8,107 R63.1@184,107.2 ; R63.1@184,107 186,107 ; TP13.1@186,108 186,107 ; J7.5@190,105 188,107 186,107
  Top Layer w0.508: R31.1@184,95.2 v1(184,96) ; R38.1@184,99.2 v1(184,100) ; R48.1@184,103.2 v1(184,104) ; R63.1@184,107.2 v1(184,108)
  Signal Layer 1 w0.254: v1(184,96) v1(184,100) v1(184,104) v1(184,108)
  Bottom Layer w0.254: U5.12@174.3,101.27 175.513,101.27 176.369,102.126 176.369,102.461 176.369,102.9 175.459,103.81 U5.14@174.3,103.81 174.3,105.8 176.5,108 v1(184,108) 183,107 183,103 182.54,102.54 U5.2@179.7,102.54 178.54,102.54 178,102 178,100.5 178.5,100 U5.4@179.7,100
Pack1_Cell1: J7.4 R61.2 TP10.1 | length 8.2
  Top Layer w0.254: R61.2@183.8,105 186,105 ; TP10.1@186,104 186,105 ; J7.4@190,102.5 187.5,105 186,105
Pack1_Cell2: J7.3 R43.2 TP8.1 | length 6.6
  Top Layer w0.254: R43.2@183.8,101 TP8.1@186,101 189,101 J7.3@190,100
Pack1_Cell3: J7.2 R36.2 TP6.1 | length 7.4
  Top Layer w0.254: R36.2@183.8,97 186,97 ; TP6.1@186,98 186,97 ; J7.2@190,97.5 189,97.5 188.5,97 186,97
Pack1_Cell4: J7.1 R28.2 TP4.1 | length 9.1
  Top Layer w0.254: R28.2@183.8,93 185.9,93 ; TP4.1@186,95 186,93.1 185.9,93 ; J7.1@190,95 188,93 185.9,93
Pack2_Cell0: J11.5 R32.1 R39.1 R49.1 R64.1 TP14.1 U7.2 U7.4 U7.12 U7.14 | length 56.3
  Top Layer w0.254: R64.1@183.8,91 185.9,91 ; TP14.1@186,92 186,91.1 185.9,91 ; J11.5@190,89 188,91 185.9,91
  Top Layer w0.508: R32.1@184,79.2 v1(184,80) ; R39.1@184,83.2 v1(184,84) ; R49.1@184,87.2 v1(184,88) ; R64.1@184,91.2 v1(184,92)
  Signal Layer 1 w0.254: v1(184,80) v1(184,84) v1(184,88) v1(184,92)
  Bottom Layer w0.254: U7.12@174.3,85.27 176.77,85.27 177,85.5 177,87.5 176.69,87.81 U7.14@174.3,87.81 174.3,89.8 175.5,91 183,91 ; U7.4@179.7,84 178.5,84 178,84.5 178,86 178.54,86.54 U7.2@179.7,86.54 182.54,86.54 183,87 183,91 ; v1(184,92) 183,91
Pack2_Cell1: J11.4 R62.2 TP11.1 | length 8.2
  Top Layer w0.254: R62.2@183.8,89 186,89 ; TP11.1@186,88 186,89 ; J11.4@190,86.5 187.5,89 186,89
Pack2_Cell2: J11.3 R44.2 TP9.1 | length 6.6
  Top Layer w0.254: R44.2@183.8,85 TP9.1@186,85 189,85 J11.3@190,84
Pack2_Cell3: J11.2 R37.2 TP7.1 | length 7.4
  Top Layer w0.254: R37.2@183.8,81 186,81 ; TP7.1@186,82 186,81 ; J11.2@190,81.5 189,81.5 188.5,81 186,81
Pack2_Cell4: J11.1 R29.2 TP5.1 | length 9.1
  Top Layer w0.254: R29.2@183.8,77 185.9,77 ; TP5.1@186,79 186,77.1 185.9,77 ; J11.1@190,79 188,77 185.9,77
Pressure_Voltage: J18.2 R65.2 TP12.1 | length 9.8
  Top Layer w0.254: TP12.1@182.5,74 182.5,72 184.04,70.46 J18.2@186,70.46
  Bottom Layer w0.254: R65.2@182.5,70.8 185.66,70.8 J18.2@186,70.46
Pressure_Voltage_3.3V_5: R65.1 R66.2 U8.1 | length 11.1
  Bottom Layer w0.254: R66.2@182.5,67.8 R65.1@182.5,69.2 186.7,69.2 189.19,71.69 U8.1@189.19,73.7
SERVO_PWM: J22.3 U6.6 | length 153.3
  Top Layer w0.254: v1(137.55,92.2) U6.6@139.124,92.2
  Signal Layer 1 w0.254: v1(137.55,92.2) 138.3,92.2 140,90.5 140,87 139,86 111,86 109.25,84.25 109.25,77.25 184,2.5 J22.3@184.46,2.5
Valve_1: D1.A J2.2 Q2.4 | length 8.9
  Bottom Layer w0.254: Q2.4@190,11 Q2.4@191,12
  Bottom Layer w1.27: D1.A@183,9.85 184.85,9.85 J2.2@186,11 Q2.4@190,11
Valve_1_GPO: R5.1 U10.1 | length 80.1
  Top Layer w0.254: v1(151,73.275) R5.1@151,74.05 ; v1(179.075,13.875) U10.1@179.85,13.875
  Bottom Layer w0.254: v1(151,73.275) 151,38 169.75,19.25 180.5,19.25 180.5,15.3 v1(179.075,13.875)
Valve_1_ON_6: R71.1 R73.2 U10.4 U11.1 U13.1 | length 34
  Top Layer w0.254: v1(179.075,17.875) U11.1@179.85,17.875 ; v1(179.075,25.875) U13.1@179.85,25.875 ; U10.4@181.15,16.125 v1(181.15,16.9)
  Signal Layer 2 w0.254: v1(179.075,17.875) 180.175,17.875 180.5,17.55 ; v1(179.075,25.875) 179.075,23.425 180.5,22 180.5,17.55 ; v1(181.15,16.9) 180.5,17.55
  Bottom Layer w0.254: v1(181.15,16.9) 182.05,16 193.55,16 196.7,12.85 R73.2@197.5,12.85 197.5,12.7 R71.1@199,11.2
Valve_1_OR_2_ON_6: U13.4 U14.6 | length 6.1
  Top Layer w0.254: U14.6@179.85,32.125 v1(179.85,32.9) ; U13.4@181.15,28.125 v1(181.15,28.9)
  Signal Layer 2 w0.254: v1(179.85,32.9) 179.85,31.383 181.15,30.083 v1(181.15,28.9)
Valve_1_OR_3_ON_6: U11.4 U12.6 | length 6.1
  Top Layer w0.254: U12.6@179.85,24.125 v1(179.85,24.9) ; U11.4@181.15,20.125 v1(181.15,20.9)
  Signal Layer 2 w0.254: v1(179.85,24.9) 179.85,23.368 181.15,22.068 v1(181.15,20.9)
Valve_2: D2.A J3.2 Q5.4 | length 7.5
  Bottom Layer w1.27: D2.A@183,17.85 184.85,17.85 J3.2@186,19 Q5.4@190,19
Valve_2_GPO: R6.1 U12.1 | length 68.8
  Top Layer w0.254: v1(153,73.275) R6.1@153,74.05 ; v1(179.075,21.875) U12.1@179.85,21.875
  Bottom Layer w0.254: v1(153,73.275) 153,39.25 170.375,21.875 v1(179.075,21.875)
Valve_2_ON_6: R77.1 R78.2 U9.1 U12.4 U13.6 | length 46
  Top Layer w0.254: v1(179.075,9.875) U9.1@179.85,9.875 ; U13.6@179.85,28.125 v1(179.85,28.9) ; U12.4@181.15,24.125 181.18,24.155 v1(181.18,24.847)
  Signal Layer 2 w0.254: v1(179.075,9.875) 181.125,9.875 183.365,12.115 183.365,22.746 181.263,24.847 v1(181.18,24.847) 181.18,25.82 179.88,27.12 v1@179.88,28.93
  Bottom Layer w0.254: v1(181.18,24.847) 181.18,24.82 182.05,23.95 193.55,23.95 196.7,20.8 R78.2@197.5,20.8 197.5,20.7 R77.1@199,19.2
Valve_2_OR_3_ON_6: U9.4 U10.6 | length 6.1
  Top Layer w0.254: U10.6@179.85,16.125 v1(179.85,16.9) ; U9.4@181.15,12.125 v1(181.15,12.9)
  Signal Layer 2 w0.254: v1(179.85,16.9) 179.85,15.65 181.15,14.35 v1(181.15,12.9)
Valve_3: D3.A J4.2 Q6.4 | length 7.5
  Bottom Layer w1.27: D3.A@183,25.85 184.85,25.85 J4.2@186,27 Q6.4@190,27
Valve_3_GPO: R7.1 U14.1 | length 62.8
  Top Layer w0.254: v1(155,73.275) R7.1@155,74.05 ; v1(179.075,29.875) U14.1@179.85,29.875
  Bottom Layer w0.254: v1(155,73.275) 155,42.75 169.5,28.25 172.484,28.25 172.5,28.234 177.434,28.234 v1(179.075,29.875)
Valve_3_ON_6: R79.1 R80.2 U9.6 U11.6 U14.4 | length 55.4
  Top Layer w0.254: U9.6@179.85,12.125 v1(179.85,12.9) ; U11.6@179.85,20.125 v1(179.85,20.9) ; U14.4@181.15,32.125 v1(181.15,32.9)
  Signal Layer 2 w0.254: v1(179.85,12.9) 177.1,12.9 174.5,15.5 174.5,18 175.5,19 177.95,19 v1(179.85,20.9) 178.6,20.9 177.75,21.75 177.75,32.5 178.781,33.531 180.519,33.531 v1(181.15,32.9)
  Bottom Layer w0.254: v1(181.15,32.9) 181.15,32.85 182.05,31.95 193.55,31.95 196.7,28.8 R80.2@197.5,28.8 197.5,28.7 R79.1@199,27.2
Valve_4: D4.A J5.2 Q3.4 | length 7.5
  Bottom Layer w1.27: D4.A@183,33.85 184.85,33.85 J5.2@186,35 Q3.4@190,35
Valve_4_GPO: R8.1 R72.1 R74.2 | length 86.5
  Top Layer w0.254: v1(157,73.275) R8.1@157,74.05
  Bottom Layer w0.254: v1(157,73.275) 157,43.25 169.5,30.75 176.016,30.75 176.746,31.48 176.746,31.496 179.25,34 180.718,34 181.5,34.782 181.5,39.4 182.05,39.95 193.55,39.95 196.7,36.8 R74.2@197.5,36.8 197.5,36.7 R72.1@199,35.2
Valve_5: D5.A J6.2 Q4.4 | length 7.5
  Bottom Layer w1.27: D5.A@183,41.85 184.85,41.85 J6.2@186,43 Q4.4@190,43
Valve_5_GPO: R9.1 R75.1 R76.2 | length 89.2
  Top Layer w0.254: v1(160,73.275) R9.1@160,74.05
  Bottom Layer w0.254: v1(160,73.275) 160,43 169.75,33.25 176.5,33.25 177.758,34.508 180.508,34.508 180.992,34.992 180.992,40.242 181.819,41.069 181.819,47.483 182.05,47.714 182.05,47.95 193.55,47.95 196.7,44.8 R76.2@197.5,44.8 197.5,44.7 R75.1@199,43.2
VBATT: C2.1 C3.1 C9.1 C10.2 C14.2 J1.2 J10.2 L1.4 SW1.4 U2.1 U2.2 U3.8 U4.1 | length 647.7
  Top Layer w0.254: C14.2@120.54,95.99 C14.2@120.55,96 ; 149.5,126 SW1.4@152.4,126
  Top Layer w1.016: L1.4@94.525,18 97,18 101.2,13.8 C10.2@101.2,10.5 101.2,9.412 100.6,8.812 ; U4.1@120.54,93 C14.2@120.54,95.99 ; C14.2@120.55,96 120.55,97.05 149.5,126
  Top Layer w2.54: C2.1@85.5,48 87,49.5 96,49.5 ; C9.1@86,18 L1.4@94.525,18 ; C3.1@94.5,48 96,49.5 ; SW1.4@152.4,126 152.4,98.6 166.5,84.5 166.5,67 149,49.5 96,49.5
  Top Layer w10.16: SW1.4@152.4,126 SW1.4@157.9,126 ; J1.2@176,126 SW1.4@157.9,126 ; J10.2@192,126 177,126 SW1.4@157.9,126
  Signal Layer 1 w10.16: SW1.4@150,126 SW1.4@152.4,126 SW1.4@157.9,126 ; J1.2@176,126 SW1.4@157.9,126 ; J10.2@192,126 177,126 SW1.4@157.9,126
  Signal Layer 2 w10.16: SW1.4@150,126 SW1.4@152.4,126 SW1.4@157.9,126 ; J1.2@176,126 SW1.4@157.9,126 ; J10.2@192,126 177,126 SW1.4@157.9,126
  Bottom Layer w2.54: C9.1@86,18 110,18 132,40 132,55.341 110.5,76.841 110.5,85.5 112.5,87.5 112.5,99.5 116,103 166,103 167.5,104.5 167.5,126
  Bottom Layer w10.16: SW1.4@150,126 167.5,126 J1.2@176,126 ; J1.2@177,126 J10.2@192,126
VBATT_RELAY: FH1.1 FH2.1 FH3.1 FH4.1 FH5.1 FH6.1 FH7.1 FH8.1 R26.2 SW1.3 | length 513.4
  Top Layer w0.254: 126.5,121.25 SW1.3@126.5,126
  Top Layer w0.508: R26.2@114.75,109.5 126.5,121.25
  Top Layer w10.16: FH8.1@10,126 FH8.1@11,126 FH8.1@16,126 FH7.1@23,126 FH7.1@28,126 FH6.1@35,126 FH6.1@40,126 FH5.1@47,126 FH5.1@52,126 FH4.1@59,126 FH4.1@64,126 FH1.1@71,126 FH1.1@76,126 FH2.1@83,126 FH2.1@88,126 FH3.1@95,126 FH3.1@100,126 SW1.3@126.5,126 SW1.3@132,126 SW1.3@133,126
  Signal Layer 1 w10.16: FH8.1@10,126 FH8.1@11,126 FH8.1@16,126 FH7.1@23,126 FH7.1@28,126 FH6.1@35,126 FH6.1@40,126 FH5.1@47,126 FH5.1@52,126 FH4.1@59,126 FH4.1@64,126 FH1.1@71,126 FH1.1@76,126 FH2.1@83,126 FH2.1@88,126 FH3.1@95,126 FH3.1@100,126 SW1.3@126.5,126 SW1.3@132,126 SW1.3@133,126
  Signal Layer 2 w10.16: FH8.1@10,126 SW1.3@133,126
  Bottom Layer w10.16: FH8.1@10,126 FH8.1@11,126 FH8.1@16,126 FH7.1@23,126 FH7.1@28,126 FH6.1@35,126 FH6.1@40,126 FH5.1@47,126 FH5.1@52,126 FH4.1@59,126 FH4.1@64,126 FH1.1@71,126 FH1.1@76,126 FH2.1@83,126 FH2.1@88,126 FH3.1@95,126 FH3.1@100,126 SW1.3@126.5,126 SW1.3@132,126 SW1.3@133,126
pads on no net: ESC1.NC ESC2.NC ESC3.NC ESC4.NC ESC5.NC ESC6.NC ESC7.NC ESC8.NC H1.1 H2.1 H3.1 H4.1 H5.1 J9.MH1 J9.MH2 J9.MH3 J9.MH4 U1.2 U1.6 U1.8 U1.9 U1.10 U2.4 U2.9

## Polygon pours and split planes (outlines as drawn)
GND on Bottom Layer "GND" (solid, remove dead copper, pour order 26): 199,138 1,138 1,1 199,1
3.3V on Signal Layer 1 "3.3V" (solid, remove dead copper, pour order 22): 199,1 199,102 82,102 82,1
5.0V on Signal Layer 2 "5.0V" (solid, remove dead copper, pour order 24): 199,1 199,102 82,102 82,1
GND on Top Layer "GND" (solid, remove dead copper, pour order 32): 199,1 199,138 1,138 1,1

## Silkscreen, mask and mechanical layers (free items; w line width, h text height)
Top Overlay:
  text "0S" at 185.375,105.625 h0.76
  text "12V" at 176.5,103.25 h0.76
  text "1S" at 185.375,102.125 h0.76
  text "5V" at 176.75,99.25 h0.76
  text "2S" at 185.375,99.125 h0.76
  text "3S" at 185.375,96.125 h0.76
  text "3.3V" at 176,94.5 h0.76
  text "4S" at 185.25,93.125 h0.76
  text "0S" at 185.25,89.625 h0.76
  text "1S" at 185.375,86.125 h0.76
  text "2S" at 185.375,83.125 h0.76
  text "3S" at 185.375,80.125 h0.76
  text "4S" at 185.375,77 h0.76
  text "+" at 182,71.5 h0.76
  text "SIG" at 182,70 h0.76
  text "GND" at 182,68.5 h0.76
  text "SCL" at 181,62 h0.76
  text "SDA" at 181,60 h0.76
  text "Depth Sensor" at 180,56 h0.76 r90
  text "+" at 182.5,54 h0.76
  text "GND" at 181.5,52 h0.76
  text "Valve Solo" at 183,36 h0.76 r90
  text "White" at 3.5,18 h0.76 r90
  text "Green" at 5.5,18 h0.76 r90
  text "Blue" at 8,18 h0.76 r90
  text "White" at 23.5,18 h0.76 r90
  text "Green" at 25.5,18 h0.76 r90
  text "Blue" at 28,18 h0.76 r90
  text "White" at 43.5,18 h0.76 r90
  text "Green" at 45.5,18 h0.76 r90
  text "Blue" at 48,18 h0.76 r90
  text "White" at 63.5,18 h0.76 r90
  text "Green" at 65.5,18 h0.76 r90
  text "Blue" at 68,18 h0.76 r90
  text "Blue" at 33,9.5 h0.76 r270
  text "Green" at 35.5,9.5 h0.76 r270
  text "White" at 37.5,9.5 h0.76 r270
  text "Blue" at 52.5,9.5 h0.76 r270
  text "Green" at 55,9.5 h0.76 r270
  text "White" at 57,9.5 h0.76 r270
  text "Blue" at 73,9.5 h0.76 r270
  text "Green" at 75.5,9.5 h0.76 r270
  text "White" at 77.5,9.5 h0.76 r270
  text "Blue" at 13,9 h0.76 r270
  text "Green" at 15.5,9 h0.76 r270
  text "White" at 17.5,9 h0.76 r270
  text "GND" at 186,7 h0.76
  text "PWM" at 185,4.5 h0.76 r90
  text "+" at 189.5,4.5 h0.76 r90
  text "Servo" at 179,3 h0.76
Bottom Overlay:
  drawing of 30 lines, arcs and shapes, not listed
Bottom Solder:
  lines w10.16: 10,126 11,126 16,126 23,126 28,126 35,126 40,126 47,126 52,126 59,126 64,126 71,126 76,126 83,126 88,126 95,126 100,126 126.5,126 132,126 133,126 ; 150,126 157.9,126 ; 176,126 157.9,126 ; 192,126 177,126 157.9,126
Board Outline:
  the board outline again, w0.508

## Text inside footprints (layer, text, board x,y; h text height)
J1: Top Overlay "XT90" at 172.799,117.634 h1.25 r90
J10: Top Overlay "XT90" at 187.799,117.634 h1.25 r90